# Altium PCB BaseBoard.PcbDoc (part 1 of 3) (continued)
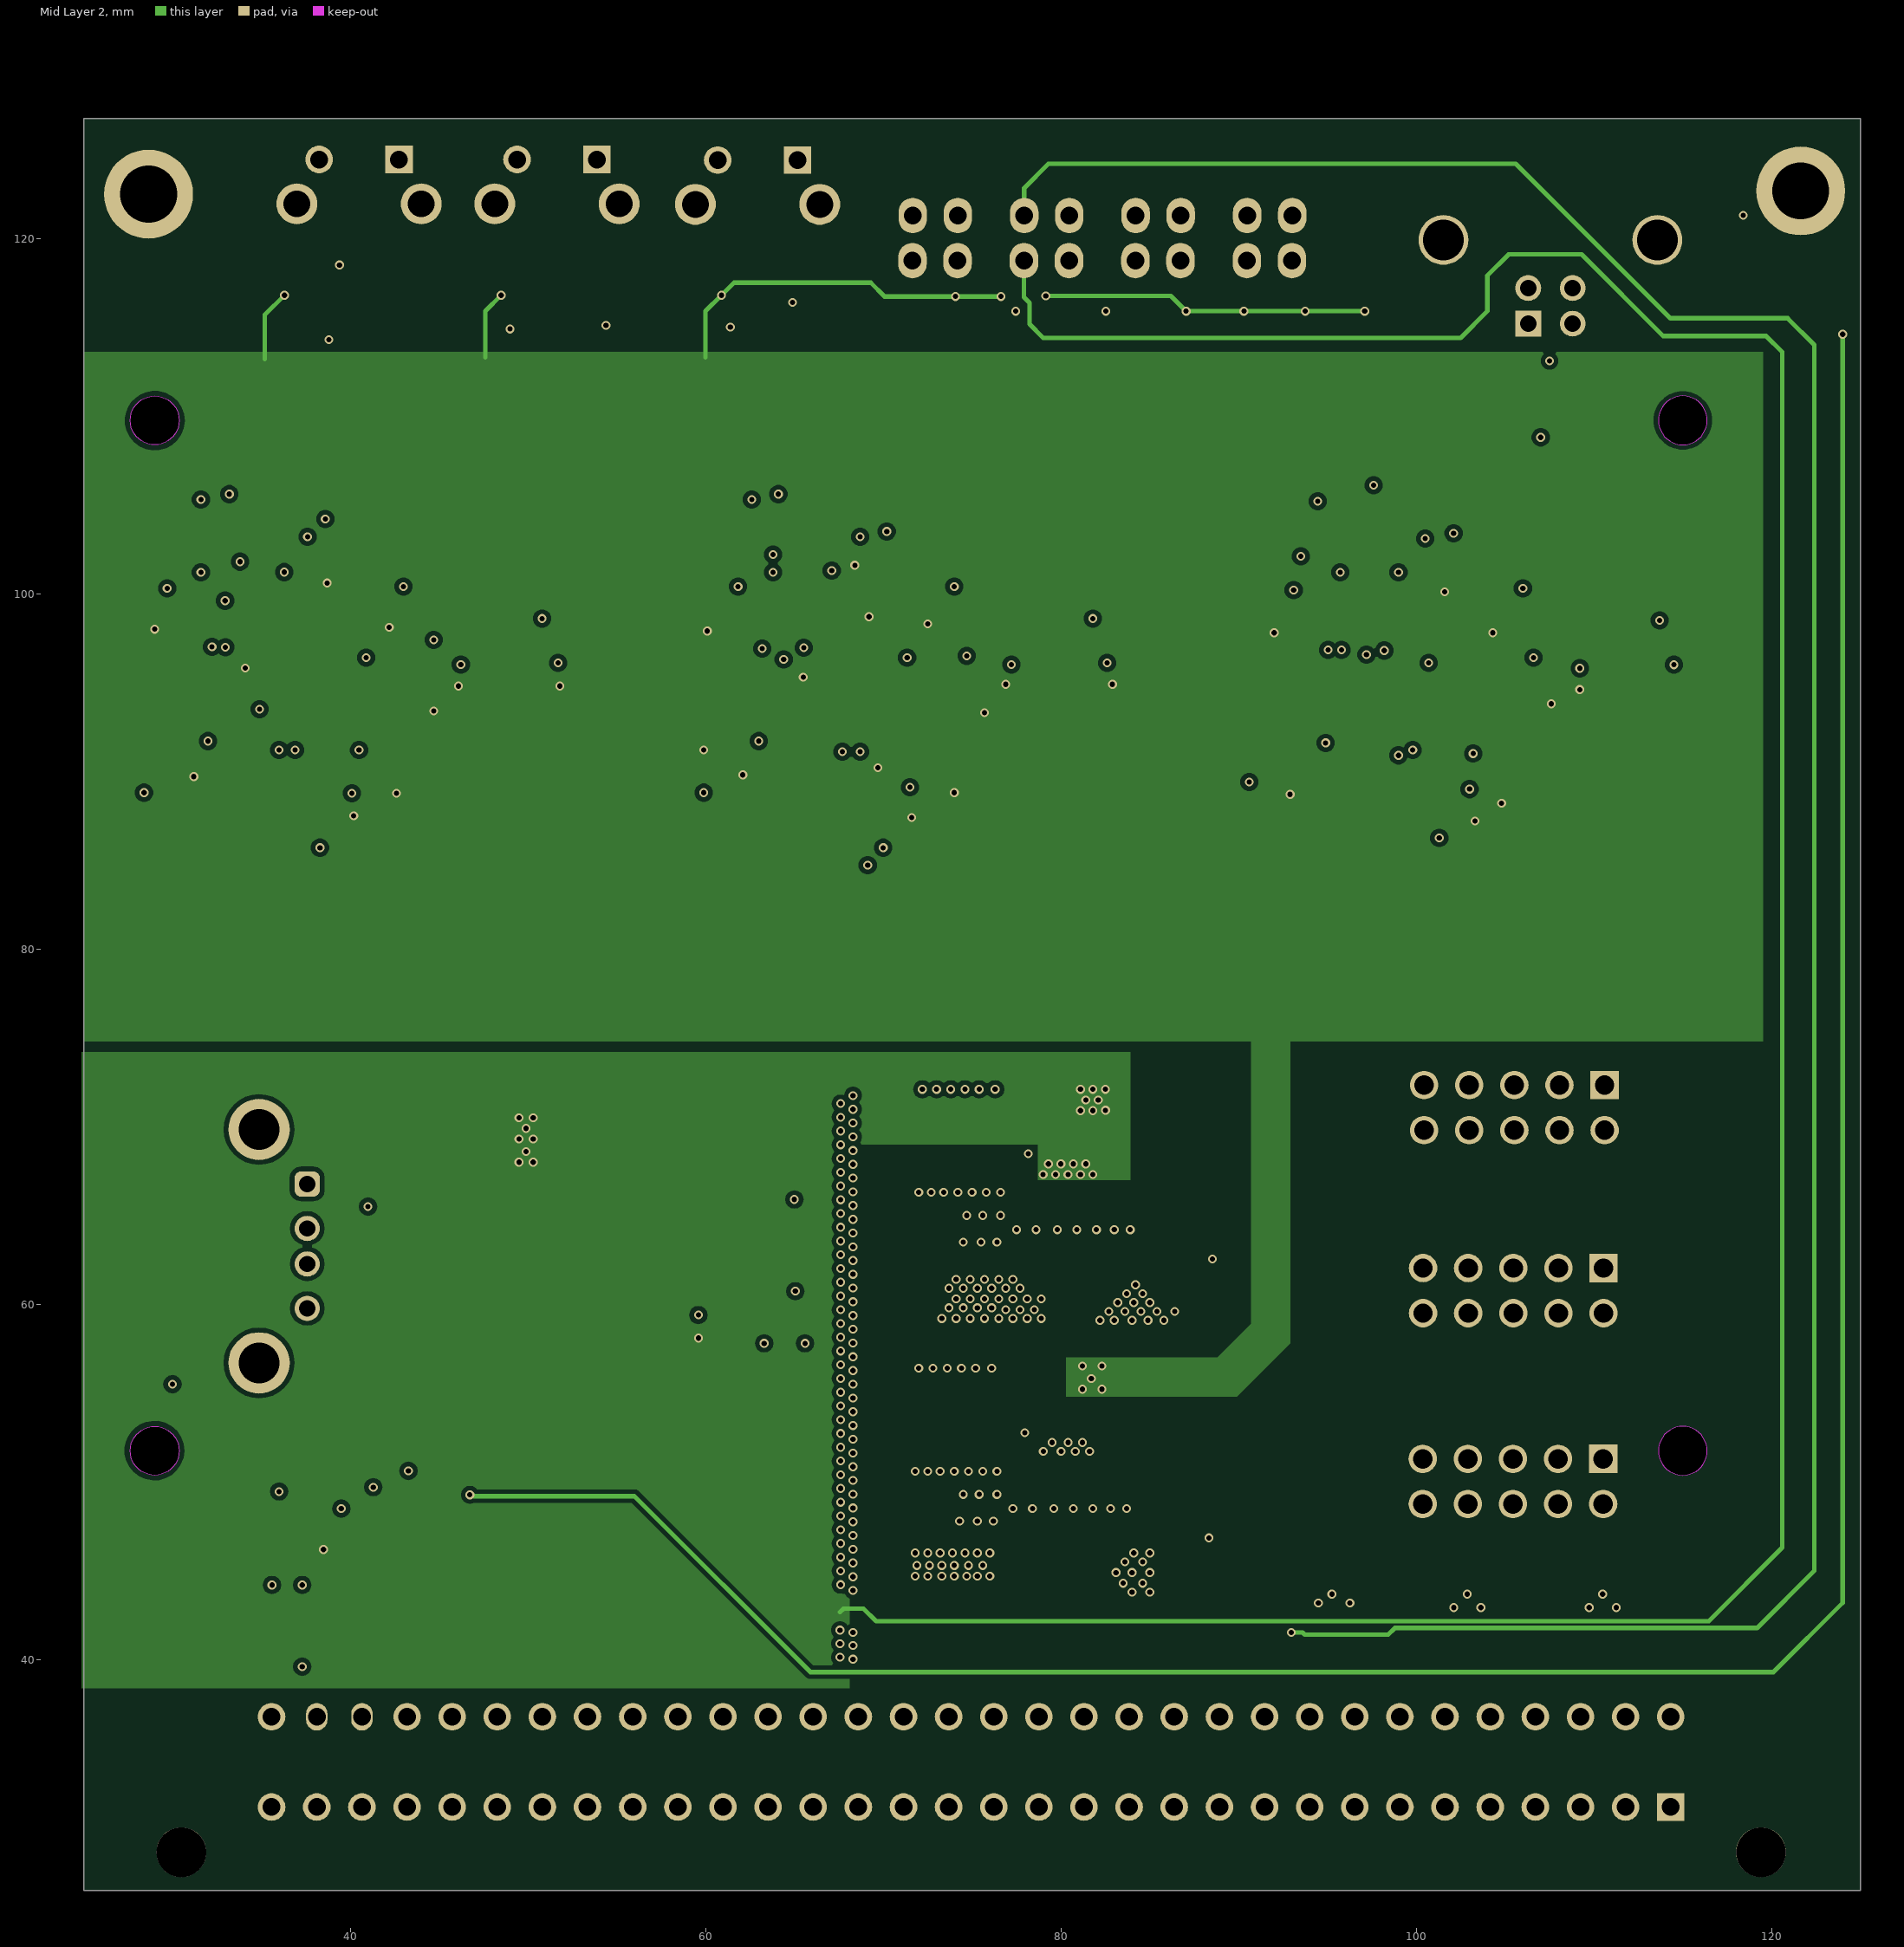
[diagram p3: Mid Layer 2]

## Layer stack, top to bottom
Top Solder: solder mask 0.0127, Solder Resist, Dk 3.8
Top Layer: signal copper 0.035
Dielectric 1: prepreg 0.2, 7628, Dk 4.6
Mid Layer 1: signal copper 0.0175
Core: core 1.065, FR-4, Dk 4.5
Mid Layer 2: signal copper 0.0175
Dielectric 2: prepreg 0.2, 7628, Dk 4.6
Bottom Layer: signal copper 0.035
Bottom Solder: solder mask 0.0127, Solder Resist, Dk 3.8

## Board outline
25,27 125,27 125,126.746 25,126.746
cut-out: 29,50.378 cw(c29,51.753) 27.625,51.753 cw(c29,51.753) 29,53.128 cw(c29,51.753) 30.375,51.753 cw(c29,51.753)
cut-out: 113.625,51.753 ccw(c115,51.753) 115,50.378 ccw(c115,51.753) 116.375,51.753 ccw(c115,51.753) 115,53.128 ccw(c115,51.753)
cut-out: 113.625,109.753 ccw(c115,109.753) 115,108.378 ccw(c115,109.753) 116.375,109.753 ccw(c115,109.753) 115,111.128 ccw(c115,109.753)
cut-out: 29,108.378 cw(c29,109.753) 27.625,109.753 cw(c29,109.753) 29,111.128 cw(c29,109.753) 30.375,109.753 cw(c29,109.753)

## Design rules (kind name [scope] priority, off if disabled: settings)
Clearance [All] p1: gap=0.254 ignorepadtopadclearanceinfootprint=TRUE except(0: Arc-Hole Track-Hole SMDPad-Hole THPad-Hole Via-Hole Fill-Hole Poly-Hole Region-Hole Text-Hole; 0.127: Arc-Arc Arc-Track Track-Track SMDPad-SMDPad; 0.2: Arc-SMDPad Track-SMDPad; 0.5: THPad-THPad)
DiffPairsRouting USB [InDifferentialPairClass('USB')] p1: maxlimit=0.127 minlimit=0.127 mostfreqgap=0.127 toplayer_minwidth=0.221 toplayer_maxwidth=0.221 toplayer_prefwidth=0.221 midlayer1_minwidth=0.141 midlayer1_maxwidth=0.141 midlayer1_prefwidth=0.141 midlayer2_minwidth=0.141 midlayer2_maxwidth=0.141 midlayer2_prefwidth=0.141 bottomlayer_minwidth=0.221 bottomlayer_maxwidth=0.221 bottomlayer_prefwidth=0.221 impedanceprofiledriven=TRUE impedanceprofileid={7FC1AC40-B501-42A7-9D38-024A12DBAC06} impedanceprofilevalue=90.000000 maxuncoupledlength=12.7
DiffPairsRouting CAN [InDifferentialPairClass('CAN')] p2: maxlimit=0.127 minlimit=0.127 mostfreqgap=0.127 toplayer_prefgap=0.172 toplayer_minwidth=0.11 toplayer_maxwidth=0.11 toplayer_prefwidth=0.12 midlayer1_minwidth=0.05 midlayer1_maxwidth=0.05 midlayer1_prefwidth=0.05 midlayer2_minwidth=0.05 midlayer2_maxwidth=0.05 midlayer2_prefwidth=0.05 bottomlayer_minwidth=0.088 bottomlayer_maxwidth=0.088 bottomlayer_prefwidth=0.088 impedanceprofiledriven=TRUE impedanceprofileid={CBB02FDA-D3A7-4592-8029-290AE57BF5D6} impedanceprofilevalue=120.000000 maxuncoupledlength=12.7
HoleSize [All] p1: absolutevalues=TRUE maxlimit=6.3 minlimit=0.3 maxpercent=80.000 minpercent=20.000
MatchedLengths [InDifferentialPairClass('USB')] p1: tolerance=25.4 checknetsindiffpair=FALSE checkdiffpairvsdiffpair=TRUE checkxsignals=TRUE checkothers=TRUE
MinimumSolderMaskSliver [All] p1: minsoldermaskwidth=0.127
PolygonConnect "USB connector releaf" [InNet('NetD1_1')] p1: connectstyle=Direct reliefconductorwidth=0.254 reliefentries=4 polygonreliefangle="90 Angle" airgapwidth=0.254
PolygonConnect GND_polygon [InNet('GND')] p2: connectstyle=Direct reliefconductorwidth=0.254 reliefentries=4 polygonreliefangle="90 Angle" airgapwidth=0.254
PolygonConnect "STM32-no releaf" [HasFootprint('STM-LQFP64_M')] p3: connectstyle=Direct reliefconductorwidth=0.254 reliefentries=4 polygonreliefangle="90 Angle" airgapwidth=0.254
PolygonConnect [All] p4: thpad.connectstyle=Relief thpad.reliefconductorwidth=0.254 thpad.reliefentries=4 thpad.polygonreliefangle="90 Angle" thpad.airgapwidth=0.254 smdpad.connectstyle=Direct smdpad.reliefconductorwidth=0.254 smdpad.reliefentries=4 smdpad.polygonreliefangle="90 Angle" smdpad.airgapwidth=0.254 via.connectstyle=Direct via.reliefconductorwidth=0.254 via.reliefentries=4 via.polygonreliefangle="90 Angle" via.airgapwidth=0.254
RoutingVias [All] p1: holewidth=0.3 width=0.5 viastyle="Through Hole" minholewidth=0.3 minwidth=0.5 maxholewidth=0.5 maxwidth=0.7
SilkToSilkClearance [All] p1: silktosilkclearance=0.001
SilkToSolderMaskClearance [IsPad] p1: minsilkscreentomaskgap=0.1 clearancetoexposedcopper=TRUE
SolderMaskExpansion SolderMaskExpansion_Vias [IsVia] p1: expansion=0.102 istentingtop=TRUE
SolderMaskExpansion [All] p2: expansion=0.102 istentingtop=FALSE
SupplyNets "Schematic Supply Nets_5" [InNet('3,3V')] p1: voltage=0.000
SupplyNets "Schematic Supply Nets_4" [InNet('24V_UNPROTECTED')] p2: voltage=0.000
SupplyNets "Schematic Supply Nets_3" [InNet('12V_UNPROTECTED')] p3: voltage=0.000
SupplyNets "Schematic Supply Nets_2" [InNet('12V_FUSED')] p4: voltage=0.000
SupplyNets "Schematic Supply Nets_1" [InNet('GND')] p5: voltage=0.000
SupplyNets "Schematic Supply Nets" [InNet('5v')] p6: voltage=0.000
Width [All] p1: maxlimit=2.54 minlimit=0.254 preferedwidth=0.5 midlayer1_maxwidth=0.254 midlayer1_prefwidth=0.254 midlayer2_maxwidth=0.254 midlayer2_prefwidth=0.254 minimp=50.000000 maximp=50.000000 favimp=50.000000
25 further rules are at their usual default settings.

## Classes and differential pairs
differential pair class USB: CARRIER_USB_IN U1_OUT U2_OUT U3_OUT UP UP_IN USB1_OUT USB2_OUT USB3_OUT USB4_OUT
differential pair class CAN: CAN1 CAN2 CAN3
channel class usb-can: CANA CANB CANC
component class Designator: C11 C12 C13 C14 C15 D1 D2 J1 J2 R4 R5 Rb1 Rb2 TP17 TP22 TP23 U3 U4 U5 U6 U401 Y2
component class CANC: C1_CANC C2_CANC C3_CANC C4_CANC C5_CANC C6_CANC C7_CANC C8_CANC C9_CANC C10_CANC P1_CANC R1_CANC R2_CANC R3_CANC R4_CANC R6_CANC R7_CANC TP1_CANC TP2_CANC TP3_CANC TP4_CANC TP5_CANC TP6_CANC TP7_CANC TP8_CANC TP9_CANC TP10_CANC TP11_CANC U1_CANC U2_CANC Y1_CANC
component class CANB: C1_CANB C2_CANB C3_CANB C4_CANB C5_CANB C6_CANB C7_CANB C8_CANB C9_CANB C10_CANB D3_CANB P1_CANB R1_CANB R2_CANB R3_CANB R4_CANB R6_CANB R7_CANB TP1_CANB TP2_CANB TP3_CANB TP4_CANB TP5_CANB TP6_CANB TP7_CANB TP8_CANB TP9_CANB TP10_CANB TP11_CANB U1_CANB U2_CANB Y1_CANB
component class CANA: C1_CANA C2_CANA C3_CANA C4_CANA C5_CANA C6_CANA C7_CANA C8_CANA C9_CANA C10_CANA D3_CANA R1_CANA R2_CANA R3_CANA R4_CANA R6_CANA R7_CANA TP1_CANA TP2_CANA TP3_CANA TP4_CANA TP5_CANA TP6_CANA TP7_CANA TP8_CANA TP9_CANA TP10_CANA TP11_CANA U1_CANA U2_CANA Y1_CANA
component class U_uC: C309 C310 C311 LD300 LD301 R302 R303 R304 R305 R306 R307 R309 R310 R311 R312 SW300 SW301 SW302 TP300 TP301 TP302
component class U_power: 3v3 C200 C201 C202 C203 C204 C205 C206 C207 C208 C209 D200 D201 D202 D203 D204 F200 L200 L201 LD200 LD201 Q200 Q205 R200 R201 R202 R203 R206 R207 R208 R209 R210 R211 R212 R213 R214 R215 R216 R217 R218 TP200 TP201 TP202 TP203 TP204 U200 U201
differential pair UPin_IN: +UPin_IN_P -UPin_IN_N
differential pair U2_OUT: +U2_OUT_P -U2_OUT_N
differential pair U1_OUT: +U1_OUT_P -U1_OUT_N
differential pair U3_OUT: +U3_OUT_P -U3_OUT_N
differential pair UP_IN: +UP_IN_P -UP_IN_N
differential pair USB4_OUT: +USB4_OUT_P -USB4_OUT_N
differential pair UP: +UP_P -UP_N
differential pair CARRIER_USB_IN: +CARRIER_USB_IN_P -CARRIER_USB_IN_N
differential pair CAN3: +CAN3_P -CAN3_N
differential pair CAN2: +CAN2_P -CAN2_N
differential pair CAN1: +CAN1_P -CAN1_N

## Components (designator, comment, footprint, x,y, rotation, side; value= is the part's Value field where it differs from the comment)
C1_CANA "100nF" CAPC2013X88X50LL20T25 96.1,100.1 r0 top (schematic designator C1)
C1_CANB "100nF" CAPC2013X88X50LL20T25 64.2,100.2 r0 top (schematic designator C1)
C1_CANC "100nF" CAPC2013X88X50LL20T25 33.2,100.6 r0 top (schematic designator C1)
C2_CANA "20pF" FP-C0603C-CF-MFG 102.3,104.8 r270 top value="0.10 μF" (schematic designator C2)
C2_CANB "20pF" FP-C0603C-CF-MFG 70.4,104.9 r270 top value="0.10 μF" (schematic designator C2)
C2_CANC "20pF" FP-C0603C-CF-MFG 39.4,104.9 r270 top value="0.10 μF" (schematic designator C2)
C3_CANA "20pF" FP-C0603C-CF-MFG 94.7,103.8 r90 top value="0.10 μF" (schematic designator C3)
C3_CANB "20pF" FP-C0603C-CF-MFG 62.8,103.9 r90 top value="0.10 μF" (schematic designator C3)
C3_CANC "20pF" FP-C0603C-CF-MFG 31.8,103.9 r90 top value="0.10 μF" (schematic designator C3)
C4_CANA "4.7uF" CAPC2013X88X50LL20T25 92.2,89.8 r0 top (schematic designator C4)
C4_CANB "4.7uF" CAPC2013X88X50LL20T25 60.3,89.9 r0 top (schematic designator C4)
C4_CANC "4.7uF" CAPC2013X88X50LL20T25 39.1,88.3 r270 top (schematic designator C4)
C5_CANA "100nF" CAPC2013X88X50LL20T25 102,88 r270 top (schematic designator C5)
C5_CANB "100nF" CAPC2013X88X50LL20T25 70.5,88.1 r270 top (schematic designator C5)
C5_CANC "100nF" CAPC2013X88X50LL20T25 29.4,89.8 r0 top (schematic designator C5)
C6_CANA "100nF" CAPC2013X88X50LL20T25 105,96.8 r180 top (schematic designator C6)
C6_CANB "100nF" CAPC2013X88X50LL20T25 73.1,96.9 r180 top (schematic designator C6)
C6_CANC "100nF" CAPC2013X88X50LL20T25 42.9,96.9 r180 top (schematic designator C6)
C7_CANA "100nF" CAPC2013X88X50LL20T25 100.02,100.088 r0 top (schematic designator C7)
C7_CANB "100nF" CAPC2013X88X50LL20T25 68.12,100.188 r0 top (schematic designator C7)
C7_CANC "100nF" CAPC2013X88X50LL20T25 37.12,100.188 r0 top (schematic designator C7)
C8_CANA "100nF" CAPC2013X88X50LL20T25 93.1,98.6 r270 top (schematic designator C8)
C8_CANB "100nF" CAPC2013X88X50LL20T25 61.2,98.7 r270 top (schematic designator C8)
C8_CANC "100nF" CAPC2013X88X50LL20T25 30.2,98.7 r270 top (schematic designator C8)
C9_CANA "100nF" CAPC2013X88X50LL20T25 100.2,86.6 r90 top (schematic designator C9)
C9_CANB "100nF" CAPC2013X88X50LL20T25 68.8,86.7 r90 top (schematic designator C9)
C9_CANC "100nF" CAPC2013X88X50LL20T25 37.3,86.7 r90 top (schematic designator C9)
C10_CANA "100nF" CAPC2013X88X50LL20T25 110.3,95.3 r270 top (schematic designator C10)
C10_CANB "100nF" CAPC2013X88X50LL20T25 78.4,95.4 r270 top (schematic designator C10)
C10_CANC "100nF" CAPC2013X88X50LL20T25 47.4,95.4 r270 top (schematic designator C10)
C11 "10uF" FP-C0603C-CF-MFG 65.9,59.2 r90 top value="0.10 μF"
C12 "10uF" FP-C0603C-CF-MFG 63.6,59.2 r90 top value="0.10 μF"
C13 "10pf" FP-C0603C-CF-MFG 31.4,55.2 r0 top value="0.10 μF"
C14 "10pf" FP-C0603C-CF-MFG 117,121.5 r180 top value="0.10 μF"
C15 "100n" FP-C0603C-CF-MFG 37.3,45.6 r90 top value="0.10 μF"
C200 "100n" FP-C0603C-CF-MFG 87,66.6 r180 top value="0.10 μF"
C201 "10u" FP-POSCAP-B2-MFG 82.037,64.273 r270 top
C202 "4u7" FP-POSCAP-B2-MFG 78.888,64.273 r270 top
C203 "22u" FP-C3216-085-0_2-MFG 72.2,71.1 r0 top
C204 "22u" FP-C3216-085-0_2-MFG 76,69.442 r90 top
C205 "100n" FP-C0603C-CF-MFG 86.8,50.9 r180 top value="0.10 μF"
C206 "10u" FP-POSCAP-B2-MFG 81.837,48.573 r270 top
C207 "4u7" FP-POSCAP-B2-MFG 78.688,48.573 r270 top
C208 "22u" FP-C3216-085-0_2-MFG 72,55.4 r0 top
C209 "22u" FP-C3216-085-0_2-MFG 75.8,53.742 r90 top
C309 "100n" FP-C0603C-CF-MFG 38.01,118.659 r0 top value="0.10 μF"
C310 "100n" FP-C0603C-CF-MFG 50.4,115.1 r180 top value="0.10 μF"
C311 "100n" FP-C0603C-CF-MFG 62.7,115.1 r180 top value="0.10 μF"
D1 "SS32" FP-403AG-MFG 44.172,69.3 r0 top
D2 "SS32" FP-403AG-MFG 119.9,116.8 r180 top
D3_CANA "ESDA6V1L-TP" FP-SOT-23-MFG 110.49,41.91 r90 top (schematic designator D3)
D3_CANB "ESDA6V1L-TP" FP-SOT-23-MFG 102.87,41.91 r90 top (schematic designator D3)
D3_CANC "ESDA6V1L-TP" FP-SOT-23-MFG 95.316,41.91 r90 top (schematic designator D3)
D200 "Green LED" FP-HSME-C191-MFG 83.2,39.2 r0 top
D201 "Green LED" FP-HSME-C191-MFG 85.746,69.785 r180 top
D202 "Green LED" FP-HSME-C191-MFG 85.546,54.085 r180 top
D203 "SS32" FP-403AG-MFG 81.895,61 r0 bottom
D204 "SS32" FP-403AG-MFG 81.4,45.4 r0 bottom
F200 "6A" FP-0466-MFG 90.3,39.3 r0 top
J1 "61400416021" 61400416021 31.592,63.27 r270 top
J2 "A-USBSB" ASSM-A-USBSB-4_V 107.55,117.555 r180 top
J100 "09 03 164 6921" FP-09_03_164_6921-MFG 74.95,25.56 r0 top
L200 "3u3" FP-SRP4020TA-MFG 72.8,66.1 r90 top value=3.3uH
L201 "3u3" FP-SRP4020TA-MFG 72.6,50.4 r90 top value=3.3uH
LD200 "" LED_HOLDER 79.155,121.503 r0 top
LD201 "" LED_HOLDER 72.883,121.503 r0 top
LD300 "" LED_HOLDER 91.7,121.503 r0 top
LD301 "" LED_HOLDER 85.428,121.503 r0 top
P1_CANA "30310-6002HB" 3M-30310-6002HB-10_V 105.44,50.03 r180 top (schematic designator P1)
P1_CANB "30310-6002HB" 3M-30310-6002HB-10_V 105.46,60.77 r180 top (schematic designator P1)
P1_CANC "30310-6002HB" 3M-30310-6002HB-10_V 105.52,71.07 r180 top (schematic designator P1)
Q200 "AO3400A" FP-SOT23-MFG 79.091,68.642 r0 top
Q205 "AO3400A" FP-SOT23-MFG 78.891,52.942 r0 top
R1_CANA "4k7" RESC0603(1608)_N 104.8,90 r90 top value="2000.00 Ohm" (schematic designator R1)
R1_CANB "4k7" RESC0603(1608)_N 73,89.603 r90 top value="2000.00 Ohm" (schematic designator R1)
R1_CANC "4k7" RESC0603(1608)_N 41.9,90.1 r90 top value="2000.00 Ohm" (schematic designator R1)
R2_CANA "4k7" RESC0603(1608)_N 105.9,94.1 r180 top value="2000.00 Ohm" (schematic designator R2)
R2_CANB "4k7" RESC0603(1608)_N 74,94.2 r180 top value="2000.00 Ohm" (schematic designator R2)
R2_CANC "4k7" RESC0603(1608)_N 43,94.2 r180 top value="2000.00 Ohm" (schematic designator R2)
R3_CANA "10k" RESC0603(1608)_N 115.3,98.8 r0 top value="2000.00 Ohm" (schematic designator R3)
R3_CANB "10k" RESC0603(1608)_N 83.4,98.9 r0 top value="2000.00 Ohm" (schematic designator R3)
R3_CANC "10k" RESC0603(1608)_N 52.4,98.9 r0 top value="2000.00 Ohm" (schematic designator R3)
R4 "10k" RESC0603(1608)_N 44.454,49.53 r0 top value="2000.00 Ohm"
R4_CANA "1k" RESC0603(1608)_N 104.9,99.4 r180 top value="2000.00 Ohm" (schematic designator R4)
R4_CANB "1k" RESC0603(1608)_N 73,99.5 r180 top value="2000.00 Ohm" (schematic designator R4)
R4_CANC "1k" RESC0603(1608)_N 42,99.5 r180 top value="2000.00 Ohm" (schematic designator R4)
R5 "10k" RESC0603(1608)_N 35.5,46 r90 top value="2000.00 Ohm"
R6_CANA "Resistor 0R 0402 63 mW" RESC1005X40X25ML05T10 111.76,38.964 r270 top value=0 (schematic designator R6)
R6_CANB "Resistor 0R 0402 63 mW" RESC1005X40X25ML05T10 103.759,38.989 r270 top value=0 (schematic designator R6)
R6_CANC "Resistor 0R 0402 63 mW" RESC1005X40X25ML05T10 96.52,38.989 r270 top value=0 (schematic designator R6)
R7_CANA "Resistor 0R 0402 63 mW" RESC1005X40X25ML05T10 109.271,38.964 r270 top value=0 (schematic designator R7)
R7_CANB "Resistor 0R 0402 63 mW" RESC1005X40X25ML05T10 101.981,38.989 r270 top value=0 (schematic designator R7)
R7_CANC "Resistor 0R 0402 63 mW" RESC1005X40X25ML05T10 93.98,38.989 r270 top value=0 (schematic designator R7)
R200 "10k" RESC0603(1608)_N 85.517,61.479 r180 top value="2000.00 Ohm"
R201 "54k9" RESC0603(1608)_N 88.641,61.605 r0 top value="2000.00 Ohm"
R202 "10k" RESC0603(1608)_N 89.429,64.17 r270 top value="2000.00 Ohm"
R203 "1k" RESC0603(1608)_N 78.7,71.3 r180 top value="2000.00 Ohm"
R206 "680R" FP-CRCW0603-e3-MFG 79.6,39.2 r0 top
R207 "220R" RESC1608X55X25ML10T15 85.86,68.16 r0 top
R208 "100R" FP-RC0603-0_55-MFG 85.66,52.46 r0 top
R209 "680R" FP-CRCW0603-e3-MFG 82.4,115.9 r180 top
R210 "220R" RESC1608X55X25ML10T15 79.15,115.9 r0 top
R211 "1k" RESC0603(1608)_N 75.7,115.9 r180 top value="2000.00 Ohm"
R212 "1k" RESC0603(1608)_N 72.4,115.9 r180 top value="2000.00 Ohm"
R213 "10k" RESC0603(1608)_N 85.317,45.779 r180 top value="2000.00 Ohm"
R214 "33k2" RESC0603(1608)_N 88.441,45.905 r0 top value="2000.00 Ohm"
R215 "10k" RESC0603(1608)_N 89.229,48.47 r270 top value="2000.00 Ohm"
R216 "1k" RESC0603(1608)_N 78.5,55.6 r180 top value="2000.00 Ohm"
R217 "100k" RESC0603(1608)_N 82.879,53.209 r270 top value="2000.00 Ohm"
R218 "100k" RESC0603(1608)_N 83.079,68.909 r270 top value="2000.00 Ohm"
R302 "10k" RESC0603(1608)_N 38.047,116.805 r180 top value="2000.00 Ohm"
R303 "10k" RESC0603(1608)_N 50.375,116.805 r180 top value="2000.00 Ohm"
R304 "10k" RESC0603(1608)_N 62.705,116.805 r180 top value="2000.00 Ohm"
R305 "100R" RESC0603(1608)_N 38,115.2 r180 top value="2000.00 Ohm"
R306 "100R" RESC0603(1608)_N 50.375,118.659 r0 top value="2000.00 Ohm"
R307 "100R" RESC0603(1608)_N 62.705,118.659 r0 top value="2000.00 Ohm"
R309 "1k" RESC0603(1608)_N 92.2,115.9 r180 top value="2000.00 Ohm"
R310 "1k" RESC0603(1608)_N 95.5,115.9 r180 top value="2000.00 Ohm"
R311 "1k" RESC0603(1608)_N 88.8,115.9 r180 top value="2000.00 Ohm"
R312 "1k" RESC0603(1608)_N 85.5,115.9 r180 top value="2000.00 Ohm"
Rb1 "Rbias" RESC1005X40X25NL05T05 103.6,111.9 r180 top
Rb2 "Rbias" RESC1005X40X25NL05T05 103.6,109.7 r180 top
SW300 "B3F-3122" FP-B3F-3122-MFG 40.5,124.367 r180 top
SW301 "B3F-3122" FP-B3F-3122-MFG 51.64,124.367 r180 top
SW302 "B3F-3122" FP-B3F-3122-MFG 62.93,124.334 r180 top
TP1_CANA "TX" TestPoint#1 95.5,85.8 r90 top (schematic designator TP1)
TP1_CANB "TX" TestPoint#1 63.6,85.9 r90 top (schematic designator TP1)
TP1_CANC "TX" TestPoint#1 33.7,85.5 r90 top (schematic designator TP1)
TP2_CANA "RX" TestPoint#1 97,83.7 r90 top (schematic designator TP2)
TP2_CANB "RX" TestPoint#1 65.1,83.8 r90 top (schematic designator TP2)
TP2_CANC "RX" TestPoint#1 33.7,83.4 r90 top (schematic designator TP2)
TP3_CANA "SCL" TestPoint#1 104.194,92.4 r0 top (schematic designator TP3)
TP3_CANB "SCL" TestPoint#1 72.294,92.5 r0 top (schematic designator TP3)
TP3_CANC "SCL" TestPoint#1 41.294,92.337 r90 top (schematic designator TP3)
TP4_CANA "SDA" TestPoint#1 106.3,92.4 r90 top (schematic designator TP4)
TP4_CANB "SDA" TestPoint#1 74.4,92.5 r90 top (schematic designator TP4)
TP4_CANC "SDA" TestPoint#1 43.4,92.5 r90 top (schematic designator TP4)
TP5_CANA "SS" TestPoint#1 89.5,85.7 r90 top (schematic designator TP5)
TP5_CANB "SS" TestPoint#1 57.6,85.8 r90 top (schematic designator TP5)
TP5_CANC "SS" TestPoint#1 29.3,87.4 r90 top (schematic designator TP5)
TP6_CANA "SCK" TestPoint#1 91,83.7 r90 top (schematic designator TP6)
TP6_CANB "SCK" TestPoint#1 59.1,83.8 r90 top (schematic designator TP6)
TP6_CANC "SCK" TestPoint#1 29.3,85.5 r90 top (schematic designator TP6)
TP7_CANA "MISO" TestPoint#1 92.6,85.8 r90 top (schematic designator TP7)
TP7_CANB "MISO" TestPoint#1 60.7,85.9 r90 top (schematic designator TP7)
TP7_CANC "MISO" TestPoint#1 29.3,83.4 r90 top (schematic designator TP7)
TP8_CANA "MOSI" TestPoint#1 94,83.7 r90 top (schematic designator TP8)
TP8_CANB "MOSI" TestPoint#1 62.1,83.8 r90 top (schematic designator TP8)
TP8_CANC "MOSI" TestPoint#1 31.4,83.4 r90 top (schematic designator TP8)
TP9_CANA "TestPoint" TestPoint#1 116.84,48.514 r90 top (schematic designator TP9)
TP9_CANB "TestPoint" TestPoint#1 116.7,59.5 r90 top (schematic designator TP9)
TP9_CANC "TestPoint" TestPoint#1 116.709,69.721 r90 top (schematic designator TP9)
TP10_CANA "TestPoint" TestPoint#1 116.84,45.974 r90 top (schematic designator TP10)
TP10_CANB "TestPoint" TestPoint#1 116.722,57.27 r90 top (schematic designator TP10)
TP10_CANC "TestPoint" TestPoint#1 116.7,67.3 r90 top (schematic designator TP10)
TP11_CANA "BOOT0" TestPoint#1 102.4,98 r90 top (schematic designator TP11)
TP11_CANB "BOOT0" TestPoint#1 70.5,98.1 r90 top (schematic designator TP11)
TP11_CANC "BOOT0" TestPoint#1 39.5,98.1 r90 top (schematic designator TP11)
TP17 "OE" TestPoint#1 43.5,46.3 r0 top
TP22 "USB2" TestPoint#2 104.8,109.7 r90 top
TP23 "USB1" TestPoint#2 104.8,111.9 r90 top
TP200 "TestPoint" TestPoint#1 72.6,61.7 r90 top
TP201 "TestPoint" TestPoint#1 91.9,61.7 r90 top
TP202 "TestPoint" TestPoint#1 89.1,44 r90 top
TP203 "TestPoint" TestPoint#1 82.5,43.8 r90 top
TP204 "TestPoint" TestPoint#1 72.9,44.9 r90 top
TP300 "TestPoint" TestPoint#1 41,115.2 r90 top
TP301 "TestPoint" TestPoint#1 53,115.2 r270 top
TP302 "TestPoint" TestPoint#1 65.5,115.2 r180 top
U1_CANA "STM32F072C8T6" STM-LQFP48_M 97.58,93.851 r270 top (schematic designator U1)
U1_CANB "STM32F072C8T6" STM-LQFP48_M 65.68,93.951 r270 top (schematic designator U1)
U1_CANC "STM32F072C8T6" STM-LQFP48_M 34.68,93.951 r270 top (schematic designator U1)
U2_CANA "SN65HVD230DR" FP-D0008A-IPC_A 115.3,95.4 r0 top (schematic designator U2)
U2_CANB "SN65HVD230DR" FP-D0008A-IPC_A 83.4,95.5 r0 top (schematic designator U2)
U2_CANC "SN65HVD230DR" FP-D0008A-IPC_A 52.4,95.5 r0 top (schematic designator U2)
U3 "IP4220CZ6,125" NXP-SOT457_L#1 41,63.275 r270 top
U4 "TS3USB30EDGSR" DGS0010A_N 39.5,48.2 r180 top
U5 "IP4220CZ6,125" NXP-SOT457_L#2 107.4,110.8 r270 top
U6 "IP4220CZ6,125" NXP-SOT457_L#3 39.4,39.6 r0 top
U200 "TPS563201DDCT" SOT95P280X110-6N 86.101,64.223 r0 top
U201 "TPS563201DDCT" SOT95P280X110-6N 85.901,48.523 r0 top
U401 "SL2.1A" SOIC127P600X160-16N 58.4,60 r0 top
Y1_CANA "8MHz" FP-7M-MFG 98.3,104.3 r180 top (schematic designator Y1)
Y1_CANB "8MHz" FP-7M-MFG 66.4,104.4 r180 top (schematic designator Y1)
Y1_CANC "8MHz" FP-7M-MFG 35.4,104.4 r180 top (schematic designator Y1)
Y2 "12MHz" FP-7M-MFG 64.623,63.227 r90 top

## Footprints (in the part's own frame and the unit in brackets; to place one, negate y for a bottom-side part, rotate by r counter-clockwise, add the part's x,y. Pads: shape width x height; smd on the part's side, far side on the other; paste and mask are expansions set on the pad)
3M-30310-6002HB-10_V [mm] "CONN, 10-Leads, Body 20.3x8.4mm, Pitch 2.54mm"
  rect 1.6x1.6 hole 1.09: 1(-5.08,-1.27)
  round 1.6 hole 1.09: 2(-5.08,1.27) 3(-2.54,-1.27) 4(-2.54,1.27) 5(0,-1.27) 6(0,1.27) 7(2.54,-1.27) 8(2.54,1.27) 9(5.08,-1.27) 10(5.08,1.27)
  silkscreen extent -10.15,-4.92 10.15,4.58, body extent -10.15,-4.2 10.15,4.61, height 8.89
61400416021 [mm] "USB 2.0 Type A Horizontal"
  rrect50% 1.42x1.42 hole 0.92: 1(-3.5,5.99)
  round 1.42 hole 0.92: 2(-1,5.99) 3(1,5.99) 4(3.5,5.99)
  round 3.45 hole 2.3: Shell(-6.57,3.28) Shell(6.57,3.28)
  silkscreen extent -7.25,-7 7.25,7, body extent -8,-7 8,7, height 7.63
ASSM-A-USBSB-4_V [mm] "USB-B, 4-Leads, Body 16.5x12.04mm"
  rect 1.45x1.45 hole 0.92: 1(1.25,2.355)
  round 1.45 hole 0.92: 2(-1.25,2.355) 3(-1.25,0.355) 4(1.25,0.355)
  round 2.8 hole 2.3: 5(6.02,-2.355) 6(-6.02,-2.355)
  silkscreen extent -6.02,-12.63 6.02,4.48, body extent -6.02,-12.63 6.02,3.87, height 11.05
CAPC2013X88X50LL20T25 [mm] "Chip Capacitor, 2-Leads, Body 2.00x1.25mm, IPC High Density"
  rect 1.1x1.35 smd: 1(-0.7,0) 2(0.7,0)
  body extent -1.1,-0.72 1.1,0.72, height 0.88
DGS0010A_N [mm] "SOP, 10-Leads, Body 3.1x3.1mm, Pitch 0.5mm, IPC Medium Density"
  rrect33% 1.35x0.3 smd: 1(-2.225,1) 2(-2.225,0.5) 3(-2.225,0) 4(-2.225,-0.5) 5(-2.225,-1) 6(2.225,-1) 7(2.225,-0.5) 8(2.225,0) 9(2.225,0.5) 10(2.225,1)
  silkscreen extent -2.35,-1.55 1.15,1.87, body extent -2.45,-1.5 2.45,1.5, height 0.94
FP-7M-MFG [mm]
  rect 1.4x1.2 smd paste+0 mask+0: 1(-1.1,-0.85) 2(1.1,-0.85) 3(1.1,0.85) 4(-1.1,0.85)
  silkscreen extent -2.75,-1.9 2.25,1.9, body extent -1.9,-1.55 1.9,1.55, height 0.25
FP-09_03_164_6921-MFG [mm]
  rect 1.55x1.55 hole 1 paste-2539.97 mask+0: A1(39.37,6.14)
  round 1.55 hole 1 paste-2539.97 mask+0: A2(36.83,6.14) A3(34.29,6.14) A4(31.75,6.14) A5(29.21,6.14) A6(26.67,6.14) A7(24.13,6.14) A8(21.59,6.14) A9(19.05,6.14) A10(16.51,6.14) A11(13.97,6.14) A12(11.43,6.14) A13(8.89,6.14) A14(6.35,6.14) A15(3.81,6.14) A16(1.27,6.14) A17(-1.27,6.14) A18(-3.81,6.14) A19(-6.35,6.14) A20(-8.89,6.14) A21(-11.43,6.14) A22(-13.97,6.14) A23(-16.51,6.14) A24(-19.05,6.14) A25(-21.59,6.14) A26(-24.13,6.14) A27(-26.67,6.14) A28(-29.21,6.14) A29(-31.75,6.14) A30(-34.29,6.14) A31(-36.83,6.14) A32(-39.37,6.14) C1(39.37,11.22) C2(36.83,11.22) C3(34.29,11.22) C4(31.75,11.22) C5(29.21,11.22) C6(26.67,11.22) C7(24.13,11.22) C8(21.59,11.22) C9(19.05,11.22) C10(16.51,11.22) C11(13.97,11.22) C12(11.43,11.22) C13(8.89,11.22) C14(6.35,11.22) C15(3.81,11.22) C16(1.27,11.22) C17(-1.27,11.22) C18(-3.81,11.22) C19(-6.35,11.22) C20(-8.89,11.22) C21(-11.43,11.22) C22(-13.97,11.22) C23(-16.51,11.22) C24(-19.05,11.22) C25(-21.59,11.22) C26(-24.13,11.22) C27(-26.67,11.22) C28(-29.21,11.22) C29(-31.75,11.22) C32(-39.37,11.22)
  oval 1.2x1.55 hole 1 paste-2539.97 mask+0: C30(-34.29,11.22) C31(-36.83,11.22)
  round 2.8 hole 2.8 unplated paste-2539.97 mask+0: ""(-44.45,3.6) ""(44.45,3.6)
  silkscreen extent -47,1.45 47,7.5, body extent -47.1,-6.6 47.1,12.09, height 0.25
FP-403AG-MFG [mm]
  rect 1.96x3.39 smd paste+0 mask+0: 1(-3.405,0) 2(3.405,0)
  silkscreen extent -3.57,-3.13 3.57,3.13, body extent -4.48,-3.22 4.48,3.22, height 0.25
FP-0466-MFG [mil]
  rect 45x80 smd paste+0 mask+0: 1(-52.5,0) 2(52.5,0)
  silkscreen extent -15,-32 15,32, body extent -79,-44 79,44, height 10
FP-B3F-3122-MFG [mm]
  rect 1.55x1.55 hole 1 paste-2539.97 mask+0: 1(-2.25,-0.075)
  round 1.55 hole 1 paste-2539.97 mask+0: 2(2.25,-0.075)
  round 2.3 hole 1.5 paste-2539.97 mask+0: 3(-3.5,2.425) 4(3.5,2.425)
  silkscreen extent -4.88,-4.43 3.85,4.43, body extent -4.75,-4.52 4.75,4.52, height 0.25
FP-C0603C-CF-MFG [mm]
  rect 0.75x0.9 smd paste+0 mask+0: 1(-0.6,0) 2(0.6,0)
  silkscreen extent -0.87,-0.85 0.88,0.85, body extent -1.2,-0.6 1.2,0.6, height 0.25
FP-C3216-085-0_2-MFG [mm]
  rect 1.1x1.35 smd paste+0 mask+0: 1(-1.65,0) 2(1.65,0)
  silkscreen extent -0.72,-0.9 0.72,0.9, body extent -2.3,-1 2.3,1, height 0.25
FP-CRCW0603-e3-MFG [mm]
  rect 0.75x1 smd paste+0 mask+0: 1(-0.75,0) 2(0.75,0)
  silkscreen extent -0.8,-0.9 0.8,0.9, body extent -1.22,-0.6 1.22,0.6, height 0.25
FP-D0008A-IPC_A [mm]
  rect 2.469x0.622 smd paste+0 mask+0: 1(-2.414,1.905)
  rrect100% 2.469x0.622 smd paste+0 mask+0: 2(-2.414,0.635) 3(-2.414,-0.635) 4(-2.414,-1.905) 5(2.414,-1.905) 6(2.414,-0.635) 7(2.414,0.635) 8(2.414,1.905)
  silkscreen extent -4.32,-2.45 0.68,2.45, body extent -4.15,-2.95 4.15,2.95, height 0.25
FP-HSME-C191-MFG [mm]
  rect 0.8x0.8 smd paste+0 mask+0: 1(-0.75,0) 2(0.75,0)
  silkscreen extent -1.82,-0.77 0.85,0.77, body extent -1.25,-0.55 1.25,0.55, height 0.25
FP-POSCAP-B2-MFG [mm]
  rect 1.6x2.7 smd paste+0 mask+0: 1(-1.5,0) 2(1.5,0)
  silkscreen extent -0.33,-1.5 3.25,1.5, body extent -2.4,-1.6 2.4,1.6, height 0.25
FP-RC0603-0_55-MFG [mm]
  rect 0.9x0.8 smd paste+0 mask+0: 1(-0.85,0) 2(0.85,0)
  silkscreen extent 0,-0.45 0,0.45, body extent -1.4,-0.55 1.4,0.55, height 0.25
FP-SOT23-MFG [mm]
  rect 0.8x0.8 smd paste+0 mask+0: 1(-1.2,0.95) 2(-1.2,-0.95) 3(1.2,0)
  silkscreen extent -0.9,-1.55 0.9,1.55, body extent -1.7,-1.78 1.7,1.78, height 0.25
FP-SOT-23-MFG [mm]
  rect 0.9x0.8 smd paste+0 mask+0: 1(-1,0.95) 2(-1,-0.95) 3(1,0)
  silkscreen extent -0.7,-1.52 0.7,1.52, body extent -1.55,-1.62 1.55,1.62, height 0.25
FP-SRP4020TA-MFG [mm]
  rect 1.5x2.4 smd paste+0 mask+0: 1(-1.85,0) 2(1.85,0)
  silkscreen extent -2.35,-2.15 2.35,2.15, body extent -2.7,-2.25 2.7,2.25, height 0.25
LED_HOLDER [mm]
  oval 1.6x2 hole 1: 1(-1.219,-0.217) 2(1.317,-0.217) 3(-1.236,-2.757) 4(1.3,-2.757)
  silkscreen extent -2.62,-4.2 2.66,7.55, body extent -2.12,-3.07 2.2,7.66, height 9.65
NXP-SOT457_L#1 [mm] "SOP, 6-Leads, Body 3.1x1.7mm, Pitch 0.95mm, IPC High Density"
  oval 1.1x0.45 smd: 1(-1.19,0.949) 2(-1.225,0) 5(1.183,0.009) 6(1.164,0.949)
  oval 1.35x0.45 smd: 3(-1.075,-0.95) 4(1.075,-0.95)
  silkscreen extent -1.2,1.6 -0.95,1.85, body extent -0.85,-1.55 0.85,1.55, height 1.1
NXP-SOT457_L#2 [mm] "SOP, 6-Leads, Body 3.1x1.7mm, Pitch 0.95mm, IPC High Density"
  oval 1x0.45 smd: 1(-1.2,0.9) 2(-1.2,0) 5(1.3,0) 6(1.3,0.9)
  oval 1.35x0.45 smd: 3(-1.075,-0.95) 4(1.075,-0.95)
  silkscreen extent -1.2,1.6 -0.95,1.85, body extent -0.85,-1.55 0.85,1.55, height 1.1
NXP-SOT457_L#3 [mm] "SOP, 6-Leads, Body 3.1x1.7mm, Pitch 0.95mm, IPC High Density"
  oval 1x0.45 smd: 1(-1.222,0.95) 2(-1.191,0.006) 5(1.24,0.005) 6(1.243,0.95)
  oval 1.35x0.45 smd: 3(-1.075,-0.95) 4(1.075,-0.95)
  silkscreen extent -1.2,1.6 -0.95,1.85, body extent -0.85,-1.55 0.85,1.55, height 1.1
RESC0603(1608)_N [mm] "Chip Resistor, Body 1.6x0.8mm, IPC Medium Density"
  rect 0.9x1 smd: 1(-0.8,0) 2(0.8,0)
  silkscreen extent -0.05,-0.4 0.05,0.4, body extent -0.85,-0.47 0.85,0.47, height 0.6
RESC1005X40X25ML05T10 [mm] "Chip Resistor, 2-Leads, Body 1.05x0.55mm, IPC Low Density"
  rect 0.7x0.65 smd: 1(-0.475,0) 2(0.475,0)
  body extent -0.53,-0.28 0.53,0.28, height 0.4
RESC1005X40X25NL05T05 [mm] "Chip Resistor, 2-Leads, Body 1.00x0.50mm, IPC Medium Density"
  rect 0.55x0.55 smd: 1(-0.45,0) 2(0.45,0)
  body extent -0.53,-0.27 0.53,0.28, height 0.4
RESC1608X55X25ML10T15 [mm] "Chip Resistor, 2-Leads, Body 1.70x0.90mm, IPC Low Density"
  rect 0.8x1 smd: 1(-0.75,0) 2(0.75,0)
  body extent -0.85,-0.45 0.85,0.45, height 0.55
SOIC127P600X160-16N [mm] "SOIC, 16-Leads, Body 9.90x3.90mm, Pitch 1.27mm, IPC Medium Density"
  oval 1.5x0.6 smd: 1(-2.75,4.445) 2(-2.75,3.175) 3(-2.75,1.905) 4(-2.75,0.635) 5(-2.75,-0.635) 6(-2.75,-1.905) 7(-2.75,-3.175) 8(-2.75,-4.445) 9(2.75,-4.445) 10(2.75,-3.175) 11(2.75,-1.905) 12(2.75,-0.635) 13(2.75,0.635) 14(2.75,1.905) 15(2.75,3.175) 16(2.75,4.445)
  silkscreen extent -2.87,-5 1.6,5.42, body extent -2,-5 2,5, height 1.6
SOT95P280X110-6N [mm]
  rrect25% 1.25x0.59 smd: 1(-1.255,0.95) 2(-1.255,0) 3(-1.255,-0.95) 4(1.255,-0.95) 5(1.255,0) 6(1.255,0.95)
  silkscreen extent -1.7,-1.57 0.8,1.78, body extent -1.4,-1.45 1.4,1.45, height 1.1
STM-LQFP48_M [mm] "QFP, 48-Leads, Body 7x7mm, Pitch 0.5mm, IPC Low Density"
  oval 1.65x0.3 smd: 1(-4.325,2.75) 2(-4.325,2.25) 3(-4.325,1.75) 4(-4.325,1.25) 5(-4.325,0.75) 6(-4.325,0.25) 7(-4.325,-0.25) 8(-4.325,-0.75) 9(-4.325,-1.25) 10(-4.325,-1.75) 11(-4.325,-2.25) 12(-4.325,-2.75) 25(4.325,-2.75) 26(4.325,-2.25) 27(4.325,-1.75) 28(4.325,-1.25) 29(4.325,-0.75) 30(4.325,-0.25) 31(4.325,0.25) 32(4.325,0.75) 33(4.325,1.25) 34(4.325,1.75) 35(4.325,2.25) 36(4.325,2.75)
  oval 0.3x1.65 smd: 13(-2.75,-4.325) 14(-2.25,-4.325) 15(-1.75,-4.325) 16(-1.25,-4.325) 17(-0.75,-4.325) 18(-0.25,-4.325) 19(0.25,-4.325) 20(0.75,-4.325) 21(1.25,-4.325) 22(1.75,-4.325) 23(2.25,-4.325) 24(2.75,-4.325) 37(2.75,4.325) 38(2.25,4.325) 39(1.75,4.325) 40(1.25,4.325) 41(0.75,4.325) 42(0.25,4.325) 43(-0.25,4.325) 44(-0.75,4.325) 45(-1.25,4.325) 46(-1.75,4.325) 47(-2.25,4.325) 48(-2.75,4.325)
  silkscreen extent -4.45,-3.1 3.1,3.58, body extent -3.5,-3.5 3.5,3.5, height 1.6
TestPoint#1 [mil]
  round 60 smd: 1(0,0)
TestPoint#2 [mil]
  round 39.37 smd: 1(0,-23.62)